# Altium PCB PCB1_4.PcbDoc (part 1 of 2) (continued)
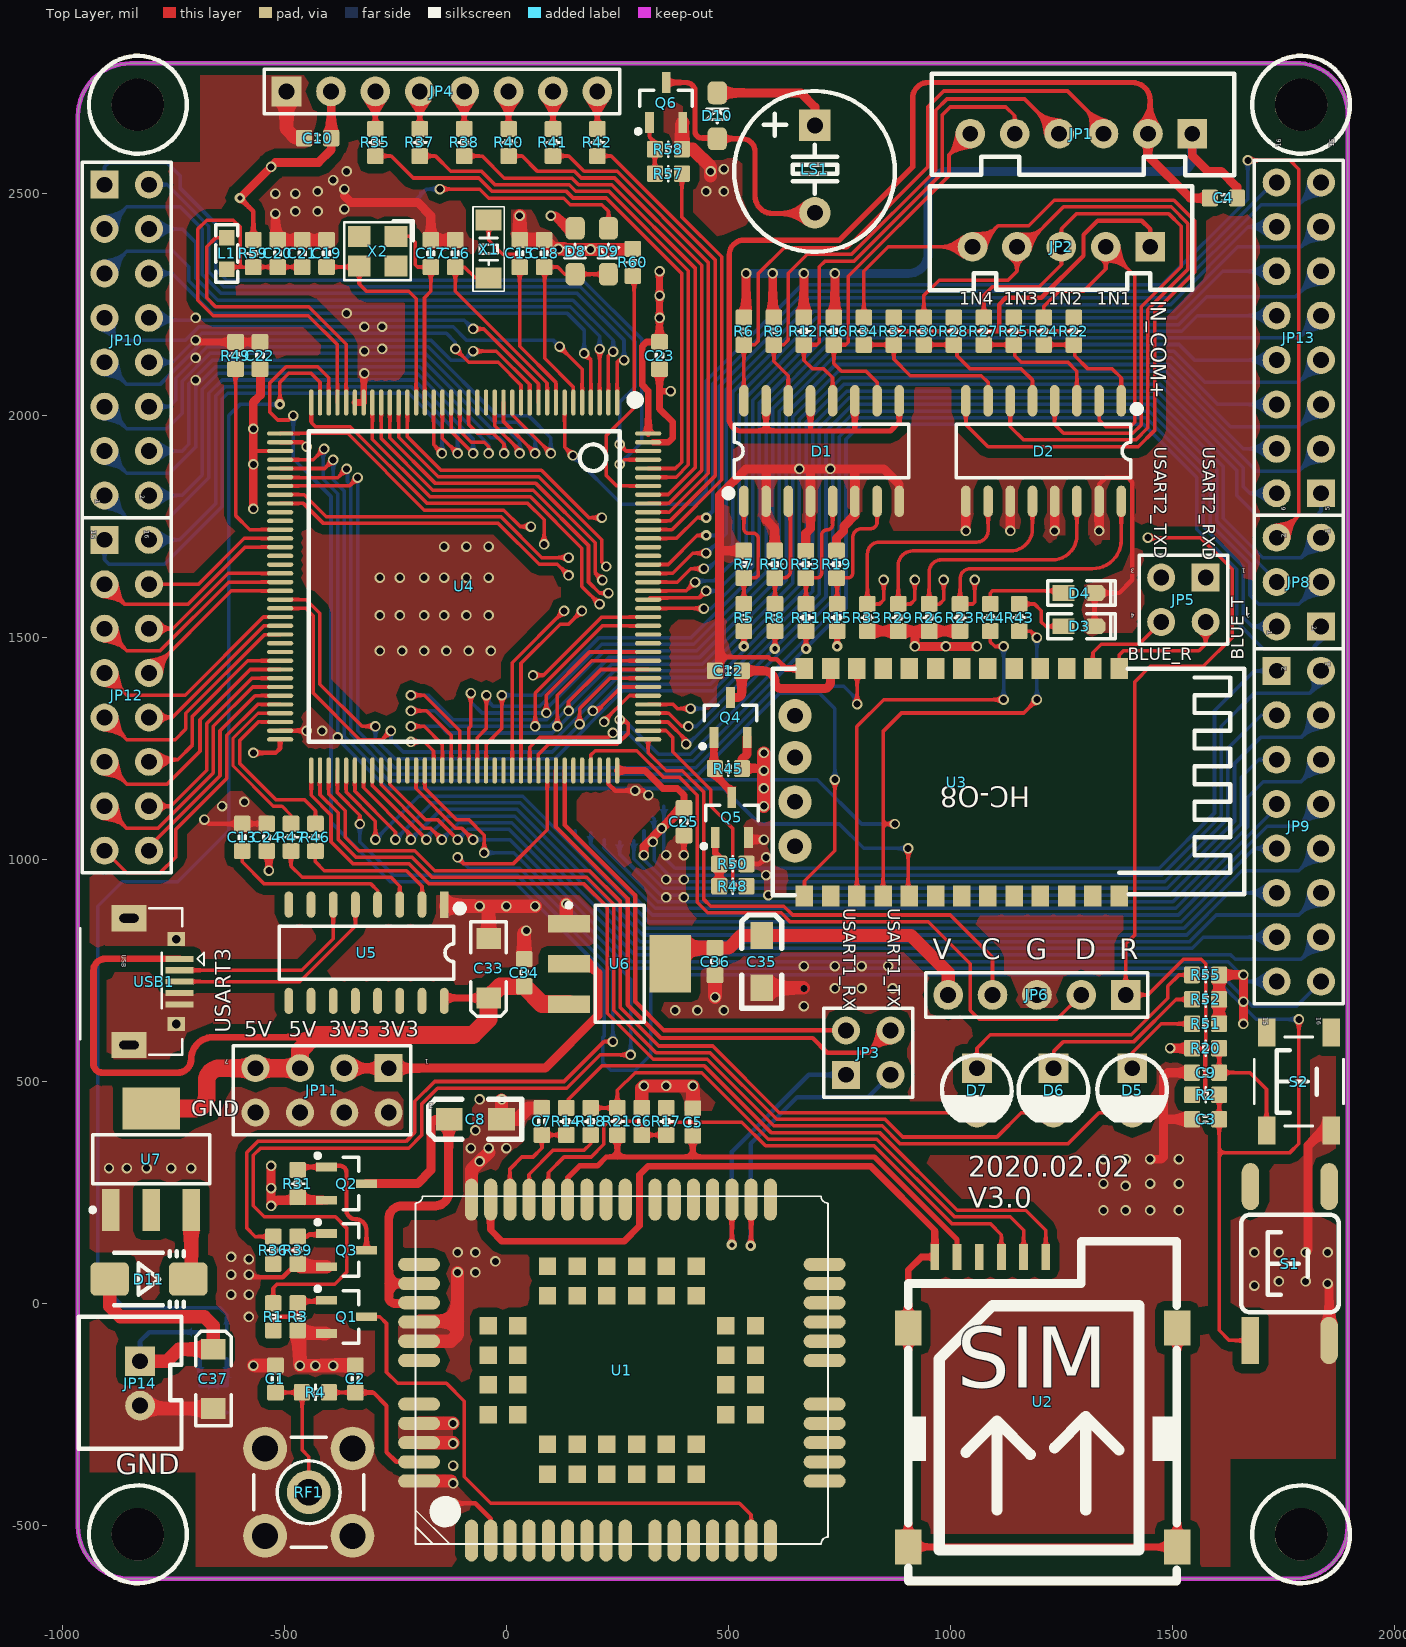
[diagram p0: Top Layer view]
## Footprints (in the part's own frame and the unit in brackets; to place one, negate y for a bottom-side part, rotate by r counter-clockwise, add the part's x,y. Pads: shape width x height; smd on the part's side, far side on the other; paste and mask are expansions set on the pad)
0603CC [mm]
  rrect20% 0.95x0.92 smd: 1(0,0.775) 2(0,-0.775)
  silkscreen extent -0.18,-0.1 0.18,0.1, body extent -0.39,-0.8 0.39,0.8, height 0.79
0603RR [mm]
  rrect20% 0.95x0.92 smd: 1(0,0.775) 2(0,-0.775)
  silkscreen extent -0.43,-0.13 0.43,0.13, body extent -0.39,-0.8 0.39,0.8, height 0.3
BC95 [mm]
  oval 2.4x0.75 smd: 1(-9.75,8.6) 2(-9.75,7.5) 3(-9.75,6.4) 4(-9.75,5.3) 5(-9.75,4.2) 6(-9.75,3.1) 7(-9.75,2) 8(-9.75,0.9) 9(-9.75,-0.2) 10(-9.75,-1.9) 11(-9.75,-3) 12(-9.75,-4.1) 13(-9.75,-5.2) 14(-9.75,-6.3) 15(-9.75,-7.4) 16(-9.75,-8.5) 28(9.75,-8.5) 29(9.75,-7.4) 30(9.75,-6.3) 31(9.75,-5.2) 32(9.75,-4.1) 33(9.75,-3) 34(9.75,-1.9) 35(9.75,-0.2) 36(9.75,0.9) 37(9.75,2) 38(9.75,3.1) 39(9.75,4.2) 40(9.75,5.3) 41(9.75,6.4) 42(9.75,7.5) 43(9.75,8.6)
  oval 0.75x2.4 smd: 17(-6.35,-11.6) 18(-5.25,-11.6) 19(-4.15,-11.6) 20(-3.05,-11.6) 21(-1.95,-11.6) 22(0.55,-11.6) 23(1.65,-11.6) 24(2.75,-11.6) 25(3.85,-11.6) 26(4.95,-11.6) 27(6.05,-11.6) 44(6.05,11.6) 45(4.95,11.6) 46(3.85,11.6) 47(2.75,11.6) 48(1.65,11.6) 49(0.55,11.6) 50(-1.95,11.6) 51(-3.05,11.6) 52(-4.15,11.6) 53(-5.25,11.6) 54(-6.35,11.6)
  rect 1x1 smd: 55(-5.95,4.25) 56(-5.95,2.55) 57(-5.95,0.85) 58(-5.95,-0.85) 59(-5.95,-2.55) 60(-5.95,-4.25) 61(-2.55,-7.65) 62(-0.85,-7.65) 63(0.85,-7.65) 64(2.55,-7.65) 65(5.95,-4.25) 66(5.95,-2.55) 67(5.95,-0.85) 68(5.95,0.85) 69(5.95,2.55) 70(5.95,4.25) 71(2.55,7.65) 72(0.85,7.65) 73(-0.85,7.65) 74(-2.55,7.65) 75(-4.25,4.25) 76(-4.25,2.55) 77(-4.25,0.85) 78(-4.25,-0.85) 79(-4.25,-2.55) 80(-4.25,-4.25) 81(-2.55,-5.95) 82(-0.85,-5.95) 83(0.85,-5.95) 84(2.55,-5.95) 85(4.25,-4.25) 86(4.25,-2.55) 87(4.25,-0.85) 88(4.25,0.85) 89(4.25,2.55) 90(4.25,4.25) 91(2.55,5.95) 92(0.85,5.95) 93(-0.85,5.95) 94(-2.55,5.95)
  silkscreen extent -9.95,-11.8 9.95,11.8, body extent -10,-11.8 10,11.8, height 3
"BEEP 5x9x5.5" [mm] "5*9*5.5mm(脚距,直径,高度)"
  rect 1.8x1.8 hole 0.9: 1(0,-2.5)
  round 1.8 hole 0.9: 2(0,2.5)
  silkscreen extent -4.58,-4.47 4.62,4.72, body extent -4.5,-4.5 4.5,4.5, height 5.45
C3216 [mil] "A型/1206 3.2mmx1.6mm（蒜米工坊）"
  rect 60x51.18 smd: 1(-59,0) 2(59,0)
  silkscreen extent -105,-45 105,45, body extent -63,-31 63,32, height 63
"CD A(3216)" [mm] "长3.2mm，宽1.6mm，厚1.6mm"
  rect 1.2x1.4 smd: 1(-1.7,0) 2(1.7,0)
  silkscreen extent -2.74,-1.02 2.67,1.02, body extent -1.6,-0.8 1.6,0.8, height 1.6
HC-08 [mm]
  rect 1x1.2 smd: 1(0,0) 2(1.5,0) 3(3,0) 4(4.5,0) 5(6,0) 6(7.5,0) 7(9,0) 8(10.5,0) 9(12,0) 10(13.5,0) 11(15,0) 12(16.5,0) 13(18,0) 14(18,13) 15(16.5,13) 16(15,13) 17(13.5,13) 18(12,13) 19(10.5,13) 20(9,13) 21(7.5,13) 22(6,13) 23(4.5,13) 24(3,13) 25(1.5,13) 26(0,13)
  round 1.9 hole 0.9: 27(18.542,2.69) 28(18.542,5.08) 29(18.542,7.62) 30(18.542,10.16)
  silkscreen extent -7.16,0 19.81,12.95, body extent -7.11,0 19.81,12.95, height 7
HDR2.54-LI-2x2P [mm] "双排排针，2x2脚"
  rect 1.6x1.6 hole 0.9: 1(-1.27,-1.27)
  round 1.6 hole 0.9: 2(-1.27,1.27) 3(1.27,-1.27) 4(1.27,1.27)
  silkscreen extent -2.54,-2.54 2.54,2.54, body extent -2.54,-2.54 2.54,2.54, height 8.5
HDR2.54-LI-2x3P [mm] "双排排针，3x2脚"
  rect 1.6x1.6 hole 0.9: 1(-2.54,-1.27)
  round 1.6 hole 0.9: 2(-2.54,1.27) 3(0,-1.27) 4(0,1.27) 5(2.54,-1.27) 6(2.54,1.27)
  silkscreen extent -3.81,-2.54 3.81,2.54, body extent -3.81,-2.54 3.81,2.54, height 8.5
HDR2.54-LI-2x4P [mm] "双排排针，4x2脚"
  rect 1.6x1.6 hole 0.9: 1(-3.81,-1.27)
  round 1.6 hole 0.9: 2(-3.81,1.27) 3(-1.27,-1.27) 4(-1.27,1.27) 5(1.27,-1.27) 6(1.27,1.27) 7(3.81,-1.27) 8(3.81,1.27)
  silkscreen extent -5.08,-2.54 5.08,2.54, body extent -5.08,-2.54 5.08,2.54, height 8.5
HDR2.54-LI-2x8P [mm] "双排排针，8x2脚"
  rect 1.6x1.6 hole 0.9: 1(-8.89,-1.27)
  round 1.6 hole 0.9: 2(-8.89,1.27) 3(-6.35,-1.27) 4(-6.35,1.27) 5(-3.81,-1.27) 6(-3.81,1.27) 7(-1.27,-1.27) 8(-1.27,1.27) 9(1.27,-1.27) 10(1.27,1.27) 11(3.81,-1.27) 12(3.81,1.27) 13(6.35,-1.27) 14(6.35,1.27) 15(8.89,-1.27) 16(8.89,1.27)
  silkscreen extent -10.16,-2.54 10.16,2.54, body extent -10.16,-2.54 10.16,2.54, height 8.5
HDR2.54-LI-5P [mm] "排针，5脚"
  rect 1.7x1.7 hole 0.9: 1(-5.08,0)
  round 1.7 hole 0.9: 2(-2.54,0) 3(0,0) 4(2.54,0) 5(5.08,0)
  silkscreen extent -6.35,-1.27 6.35,1.27, body extent -6.35,-1.27 6.35,1.27, height 8.5
HDR2.54-M-LI-8P [mm] "排母，8脚"
  rect 1.7x1.7 hole 0.9: 1(-8.89,0)
  round 1.7 hole 0.9: 2(-6.35,0) 3(-3.81,0) 4(-1.27,0) 5(1.27,0) 6(3.81,0) 7(6.35,0) 8(8.89,0)
  silkscreen extent -10.16,-1.27 10.16,1.27, body extent -10.16,-1.27 10.16,1.27, height 8.5
"L 0603" [mil] "小功率贴片电感"
  rect 35x35 smd: 1(-35,0) 2(35,0)
  silkscreen extent -65,-25 65,25, body extent -31,-16 31,16, height 31
"LED 3MM-B" [mm] "蓝色3mm直插LED"
  rect 1.7x1.7 hole 0.9: 1(-1.27,0)
  round 1.7 hole 0.9: 2(1.27,0)
  silkscreen extent -2.01,-2 1.72,1.98, body extent -1.95,-1.95 1.64,1.95, height 5.55
"LED 3MM-G" [mm] "绿色3mm直插LED"
  rect 1.7x1.7 hole 0.9: 1(-1.27,0)
  round 1.7 hole 0.9: 2(1.27,0)
  silkscreen extent -2.01,-2 1.72,1.98, body extent -1.95,-1.95 1.64,1.95, height 5.55
"LED 3MM-R" [mm] "红色3mm直插LED"
  rect 1.7x1.7 hole 0.9: 1(-1.27,0)
  round 1.7 hole 0.9: 2(1.27,0)
  silkscreen extent -2.01,-2 1.72,1.98, body extent -1.95,-1.95 1.64,1.95, height 5.55
"LED 0603G" [mil] "绿色0603LED"
  rect 50x35 smd: 1(-35,0.26)
  oct 50x35 smd: 2(35,0.26)
  silkscreen extent -71,-28 81,28, body extent -31,-16 31,16, height 24
"LED 0603R" [mil] "红色0603LED"
  rect 50x35 smd: 1(-35,0.26)
  oct 50x35 smd: 2(35,0.26)
  silkscreen extent -71,-28 81,28, body extent -31,-16 31,16, height 24
"LQFP144 20X20_L" [mm] "144脚，体宽20x20mm，脚距0.5mm"
  oval 0.25x1.5 smd: 1(-8.75,-10.525) 2(-8.25,-10.525) 3(-7.75,-10.525) 4(-7.25,-10.525) 5(-6.75,-10.525) 6(-6.25,-10.525) 7(-5.75,-10.525) 8(-5.25,-10.525) 9(-4.75,-10.525) 10(-4.25,-10.525) 11(-3.75,-10.525) 12(-3.25,-10.525) 13(-2.75,-10.525) 14(-2.25,-10.525) 15(-1.75,-10.525) 16(-1.25,-10.525) 17(-0.75,-10.525) 18(-0.25,-10.525) 19(0.25,-10.525) 20(0.75,-10.525) 21(1.25,-10.525) 22(1.75,-10.525) 23(2.25,-10.525) 24(2.75,-10.525) 25(3.25,-10.525) 26(3.75,-10.525) 27(4.25,-10.525) 28(4.75,-10.525) 29(5.25,-10.525) 30(5.75,-10.525) 31(6.25,-10.525) 32(6.75,-10.525) 33(7.25,-10.525) 34(7.75,-10.525) 35(8.25,-10.525) 36(8.75,-10.525) 73(8.75,10.525) 74(8.25,10.525) 75(7.75,10.525) 76(7.25,10.525) 77(6.75,10.525) 78(6.25,10.525) 79(5.75,10.525) 80(5.25,10.525) 81(4.75,10.525) 82(4.25,10.525) 83(3.75,10.525) 84(3.25,10.525) 85(2.75,10.525) 86(2.25,10.525) 87(1.75,10.525) 88(1.25,10.525) 89(0.75,10.525) 90(0.25,10.525) 91(-0.25,10.525) 92(-0.75,10.525) 93(-1.25,10.525) 94(-1.75,10.525) 95(-2.25,10.525) 96(-2.75,10.525) 97(-3.25,10.525) 98(-3.75,10.525) 99(-4.25,10.525) 100(-4.75,10.525) 101(-5.25,10.525) 102(-5.75,10.525) 103(-6.25,10.525) 104(-6.75,10.525) 105(-7.25,10.525) 106(-7.75,10.525) 107(-8.25,10.525) 108(-8.75,10.525)
  oval 1.5x0.25 smd: 37(10.525,-8.75) 38(10.525,-8.25) 39(10.525,-7.75) 40(10.525,-7.25) 41(10.525,-6.75) 42(10.525,-6.25) 43(10.525,-5.75) 44(10.525,-5.25) 45(10.525,-4.75) 46(10.525,-4.25) 47(10.525,-3.75) 48(10.525,-3.25) 49(10.525,-2.75) 50(10.525,-2.25) 51(10.525,-1.75) 52(10.525,-1.25) 53(10.525,-0.75) 54(10.525,-0.25) 55(10.525,0.25) 56(10.525,0.75) 57(10.525,1.25) 58(10.525,1.75) 59(10.525,2.25) 60(10.525,2.75) 61(10.525,3.25) 62(10.525,3.75) 63(10.525,4.25) 64(10.525,4.75) 65(10.525,5.25) 66(10.525,5.75) 67(10.525,6.25) 68(10.525,6.75) 69(10.525,7.25) 70(10.525,7.75) 71(10.525,8.25) 72(10.525,8.75) 109(-10.525,8.75) 110(-10.525,8.25) 111(-10.525,7.75) 112(-10.525,7.25) 113(-10.525,6.75) 114(-10.525,6.25) 115(-10.525,5.75) 116(-10.525,5.25) 117(-10.525,4.75) 118(-10.525,4.25) 119(-10.525,3.75) 120(-10.525,3.25) 121(-10.525,2.75) 122(-10.525,2.25) 123(-10.525,1.75) 124(-10.525,1.25) 125(-10.525,0.75) 126(-10.525,0.25) 127(-10.525,-0.25) 128(-10.525,-0.75) 129(-10.525,-1.25) 130(-10.525,-1.75) 131(-10.525,-2.25) 132(-10.525,-2.75) 133(-10.525,-3.25) 134(-10.525,-3.75) 135(-10.525,-4.25) 136(-10.525,-4.75) 137(-10.525,-5.25) 138(-10.525,-5.75) 139(-10.525,-6.25) 140(-10.525,-6.75) 141(-10.525,-7.25) 142(-10.525,-7.75) 143(-10.525,-8.25) 144(-10.525,-8.75)
  silkscreen extent -10.03,-10.92 8.89,8.89, body extent -11,-11 11,11, height 1.45
"OSC 3215-2P" [mm] "3.2*1.5*0.6mm(长宽高)"
  rect 1.2x1.5 smd: 1(-1.65,0) 2(1.65,0)
  silkscreen extent -2.41,-0.89 2.41,0.89, body extent -1.6,-0.75 1.6,0.75, height 0.61
"OSC 3225-4P" [mm] "3.2*2.5*0.7mm(长宽高)"
  rect 1.3x1.2 smd: 1(-1.05,-0.85) 2(1.05,-0.85) 3(1.05,0.85) 4(-1.05,0.85)
  silkscreen extent -2.03,-1.75 1.91,1.65, body extent -1.6,-1.25 1.6,1.25, height 0.7
"SIM 6P 自弹" [mm]
  rect 0.5x1.5 smd: 1(2.794,4.064) 2(5.334,4.064) 3(7.874,4.064) 4(1.524,4.064) 5(4.064,4.064) 6(6.604,4.064)
  rect 1.5x2 smd: 4(0,-12.53) 4(0,0) 4(15.4,-12.53) 4(15.4,0)
  silkscreen extent 0,-14.48 15.37,4.95, body extent -0.51,-14.48 15.75,4.95, height 1.25
SMA [mm]
  rrect30% 2.2x1.9 smd: 1(-2.248,0) 2(2.248,0)
  silkscreen extent -2,-1.6 2,1.6, body extent -2.64,-1.4 2.64,1.4, height 2.3
SMA_FR [mm] "SMA 90度射频天线座"
  round 2.5 hole 1.5: 1(0,0) 2(-2.5,2.5) 2(2.5,2.5) 3(-2.5,-2.5) 3(2.5,-2.5)
  silkscreen extent -3.15,-3.15 3.15,3.15, body extent -3.5,-3.5 3.5,11.6, height 10.26
SOD-323 [mm]
  rrect50% 1.3x1.1 smd: 1(-1.312,0) 2(1.313,0)
  silkscreen extent -0.41,-0.6 0.39,0.6
SOP16_L [mm] "10.3*6.2*1.8mm（长宽高）"
  rect 1.5x0.5 smd: 1(-2.752,4.445)
  oval 1.5x0.5 smd: 2(-2.752,3.175) 3(-2.752,1.905) 4(-2.752,0.635) 5(-2.752,-0.635) 6(-2.752,-1.905) 7(-2.752,-3.175) 8(-2.752,-4.445) 9(2.752,-4.445) 10(2.752,-3.175) 11(2.752,-1.905) 12(2.752,-0.635) 13(2.752,0.635) 14(2.752,1.905) 15(2.752,3.175) 16(2.752,4.445)
  silkscreen extent -2.69,-5 1.52,5.49, body extent -3,-5 3,5, height 1.9
SOP16_N [mm] "10.3*6.2*1.8mm（长宽高）"
  oval 1.8x0.55 smd: 1(-2.877,4.445) 2(-2.877,3.175) 3(-2.877,1.905) 4(-2.877,0.635) 5(-2.877,-0.635) 6(-2.877,-1.905) 7(-2.877,-3.175) 8(-2.877,-4.445) 9(2.877,-4.445) 10(2.877,-3.175) 11(2.877,-1.905) 12(2.877,-0.635) 13(2.877,0.635) 14(2.877,1.905) 15(2.877,3.175) 16(2.877,4.445)
  silkscreen extent -2.57,-5 1.52,5.49, body extent -3,-5 3,5, height 1.9
SOT23-3N [mm] "3x1.3x1mm(长宽高)"
  rect 0.5x1.2 smd: 1(-0.95,-1.143) 2(0.95,-1.143) 3(0,1.143)
  silkscreen extent -1.72,-1.78 1.5,0.7, body extent -1.5,-1.2 1.5,1.2, height 1.05
SOT223_N [mm] "SOT223, 4-Leads, Body 6.5x3.5mm, Pitch 2.3mm, Lead Span 7mm, IPC Medium Density"
  rect 2.4x1 smd: 1(-2.9,2.3) 2(-2.9,0) 3(-2.9,-2.3)
  rect 2.4x3.3 smd: 4(2.9,0)
  silkscreen extent -3.02,-3.35 1.4,3.47, body extent -1.85,-3.35 1.85,3.35, height 1.7
"TSW SMD-4*4*1.5" [mm] "轻触开关，长宽高：4*4*1.5mm"
  rect 1.6x1 smd: 1(-2.8,1.85) 2(-2.8,-1.85) 3(2.8,-1.85) 4(2.8,1.85)
  silkscreen extent -2.55,-2.55 2.55,2.55, body extent -3.2,-2.6 3.2,2.6, height 1.5
"TSW SMD-6*6*6" [mm] "6*6*6mm"
  rect 2.7x1 smd: 1(-4.4,2.261)
  oval 2.7x1 smd: 2(-4.4,-2.239) 3(4.4,-2.239) 4(4.4,2.261)
  silkscreen extent -2.79,-2.79 2.79,2.79, body extent -4.5,-3 4.5,3, height 5.95
USB-MICRO_A [mm] "micro型USB ，5.7*7.8*2.5mm"
  rect 0.35x1.6 smd: 1(-1.3,2.9) 2(-0.65,2.9) 3(0,2.9) 4(0.65,2.9) 5(1.3,2.9)
  rect 1.5x2 hole 0.5 slot 1.1 at 90 deg: 5(-3.625,0) 5(3.625,0)
  rect 0.8x1 hole 0.5: 5(-2.425,2.71) 5(2.425,2.71)
  silkscreen extent -4.19,-2.79 4.19,4.3, body extent -4,-2.71 4,2.89, height 2.8
VBAT [mm]
  oct 2.5x6 smd: 1(0.127,-8.729)
  oval 2.5x6 smd: 2(0.127,8.471)
  silkscreen extent -7.49,-7.7 7.74,7.45
XH2.54-LI-2P [mm] "接插件，2P"
  rect 1.7x1.7 hole 0.9: 1(-1.27,0)
  round 1.7 hole 0.9: 2(1.27,0)
  silkscreen extent -3.81,-3.51 3.74,2.37, body extent -3.77,-3.3 3.77,2.4, height 7.05
XH2.54-LI-5P [mm] "接插件，5P"
  rect 1.7x1.7 hole 0.9: 1(-5.08,0)
  round 1.7 hole 0.9: 2(-2.54,0) 3(0,0) 4(2.54,0) 5(5.08,0)
  silkscreen extent -7.48,-3.45 7.52,2.49, body extent -7.58,-3.3 7.58,2.4, height 7.03
XH2.54-LI-6P [mm] "接插件，6P"
  rect 1.7x1.7 hole 0.9: 1(-6.35,0)
  round 1.7 hole 0.9: 2(-3.81,0) 3(-1.27,0) 4(1.27,0) 5(3.81,0) 6(6.35,0)
  silkscreen extent -8.74,-3.43 8.56,2.39, body extent -8.85,-3.3 8.85,2.4, height 7.03

## Part data
BAT1: library part BAT
C1 C2 C3 C4 C5 C6 C7 C9 C10 C12 C13 C14 C15 C16 C17 C18 C19 C20 C21 C22 C23 C24 C25 C34 C36: library part cap
C8 C33 C35 C37: library part Ecap
D1 D2: library part PC847
D8 D9: library part D
D10: "高速开关二极管", BOM名称=高速开关二极管, 学习资源=www.ooocke.com, 版权归属=源创客
D11: library part Diod
JP1: library part "Header 6", "6P接插件", BOM名称=6P接插件, 学习资源=www.ooocke.com, 版权归属=源创客
JP2 JP6: library part "Header 5", "5P接插件", BOM名称=5P接插件, 学习资源=www.ooocke.com, 版权归属=源创客
JP3 JP5: library part "Header 2X2", "2*2P接插件", BOM名称=2*2P接插件, 学习资源=www.ooocke.com, 版权归属=源创客
JP4: library part "Header 8", "8P接插件", BOM名称=8P接插件, 学习资源=www.ooocke.com, 版权归属=源创客
JP8: library part "Header 3X2", "3*2P接插件", BOM名称=3*2P接插件, 学习资源=www.ooocke.com, 版权归属=源创客
JP9 JP10 JP12 JP13: "8*2P接插件", BOM名称=8*2P接插件, 学习资源=www.ooocke.com, 版权归属=源创客
JP11: "4*2P接插件", BOM名称=4*2P接插件, 学习资源=www.ooocke.com, 版权归属=源创客
JP14: library part "Header 2", "2P接插件", BOM名称=2P接插件, 学习资源=www.ooocke.com, 版权归属=源创客
L1: library part L, "小功率贴片电感", BOM名称=小功率贴片电感, 学习资源=www.ooocke.com, 版权归属=源创客
LS1: library part BEEP, "蜂鸣器", BOM名称=蜂鸣器, 学习资源=www.ooocke.com, 版权归属=源创客
Q1 Q3 Q5 Q6: library part 8050-SMD, "高频放大-NPN型", BOM名称=高频放大-NPN型, 学习资源=www.ooocke.com, 属性="40V 1.5A 1W 100MHZ", 版权归属=源创客
Q2 Q4: library part SI2301, "P沟道场效应管", BOM名称=P沟道场效应管, 学习资源=www.ooocke.com, 版权归属=源创客
R1 R2 R3 R4 R5 R6 R7 R8 R9 R10 R11 R12 R13 R14 R15 R16 R17 R18 R19 R20 R21 R22 R23 R24 R25 R26 R27 R28 R29 R30 R31 R32 R33 R34 R35 R36 R37 R38 R39 R40 R41 R42 R43 R44 R45 R46 R47 R48 R49 R50 R51 R52 R53 R54 R55 R56 R57 R58 R59 R60: library part res
S1 S2: "Switch", LatestRevisionDate=17-Jul-2002, LatestRevisionNote="Re-released for DXP Platform.", PackageReference=SPST-2, Published=24-Mar-1999, Publisher="Altium Limited"
U2: library part USIM-6P
U6 U7: library part AMS1117
USB1: "微型USB母座", BOM名称=微型USB母座, 学习资源=www.ooocke.com, 版权归属=源创客
X1: library part XTAL-2P, "2脚无源脚晶振", BOM名称=2脚无源脚晶振, 学习资源=www.ooocke.com, 版权归属=源创客
X2: library part XTAL-4P, "4脚无源晶振", BOM名称=4脚无源晶振, 学习资源=www.ooocke.com, 版权归属=源创客

## Free pads (board coordinates)
  round 118.11 hole 118.11: 0(-830,2700) 1(1790,2700) 2(1790,-520) 3(-830,-520)

## Via types
v1: diameter 23.62, hole 15.75, Top Layer to POWER_GND, tented top, 125 vias
v2: diameter 23.62, hole 15.75, Top Layer to Bottom Layer, tented both sides, 99 vias
v3: diameter 23.62, hole 15.75, Top Layer to POWER_VCC, tented top, 44 vias
v4: diameter 23.62, hole 15.75, POWER_VCC to Bottom Layer, tented bottom, 8 vias
v5: diameter 23.62, hole 11.81, Top Layer to Bottom Layer, tented both sides, 5 vias
v6: diameter 23.62, hole 11.81, Top Layer to POWER_VCC, tented top, 5 vias
v7: diameter 15.75, hole 15.75, Top Layer to POWER_GND, tented top, 1 vias

## Nets (pads, with @x,y where several pads share a name; then routed paths per layer and width w, separated by ;. In a path a pad name is that pad's centre, name@x,y a point inside that pad or via, vN(x,y) a via of type N, cw(c..) or ccw(c..) an arc to the next point about the centre after c; other vN are vias at no path point)
BEEP: R57.1 U4.133 | length 939.1
  Top Layer w8: U4.133@319.39,1742.95 372.95,1742.95 485,1855 485,2357.28 395.51,2446.77 R57.1@395.51,2545
BLE_CLEAR: U3.18 U4.40 | length 2281
  Top Layer w8: U4.40@-509.39,1900.43 -435,1900.43 v2(-410.43,1925) v2@-410,1925 ; v2(905,1025) 905,940.75 915,930.75 905,920.75 U3.18@907.56,918.19
  Bottom Layer w8: v2(-410.43,1925) -412.81,1922.62 -412.81,1856.6 -380,1823.79 -380,1271.36 -268.64,1160 490,1160 570,1080 750,1080 805,1025 v2(905,1025)
BLE_CON_LED: R43.1 U3.17 U4.41 | length 3043.4
  Top Layer w8: U4.41@-509.39,1880.75 -409.25,1880.75 v2(-390,1900) ; U3.17@848.5,918.19 848.5,1080 ; v2(875,1080) 848.5,1080 ; R43.1@1155,1514.49 1180.51,1514.49 v2(1195,1500) ; v2(1195,1360) 1165,1330 890,1330 848.5,1288.5 848.5,1080
  Bottom Layer w8: v2(-390,1900) -390,1855 -365,1830 -365,1277.57 -264.43,1177 439.11,1177 442.11,1180 700,1180 800,1080 v2(875,1080) ; v2(1195,1360) v2(1195,1500)
BLE_Pilot_LED: R44.1 U3.16 | length 915.5
  Top Layer w8: U3.16@789.45,918.19 789.45,1299.45 850,1360 v2(1120,1360) ; R44.1@1090,1514.49 1090,1490 1100,1480 v2(1120,1480)
  Bottom Layer w8: v2(1120,1360) v2(1120,1480)
BLE_Pilot_LED_CON: U3.14 U4.42 | length 2427
  Top Layer w8: U4.42@-509.39,1861.06 -508.32,1860 -380,1860 v2(-360,1880) ; U3.14@671.34,918.19 671.34,951.34 740,1020 v2(740,1180)
  Bottom Layer w8: v2(-360,1880) -357.81,1877.81 -357.81,1850.55 -350,1842.74 -350,1283.79 -258.21,1192 432.9,1192 615.9,1375 705,1375 740,1340 v2(740,1180)
Blue_Power_Control: R48.1 U4.110 | length 477.5
  Top Layer w8: U4.110@319.39,1290.2 359.8,1290.2 375,1275 375,1242.43 460,1157.43 460,1120 510,1070 510,950 520,940 R48.1@540.51,940
Blue_RST: U3.11 U4.43 | length 2089.9
  Top Layer w8: U4.43@-509.39,1841.38 -353.62,1841.38 v2(-335,1860) ; U3.11@789.45,1430 790,1429.45 v2(790,1350)
  Bottom Layer w8: v2(-335,1860) -335,1290 -252,1207 426.69,1207 609.69,1390 760,1390 790,1360 v2(790,1350)
Blue_RXD_PA2: JP5.3 U4.36 | length 2277.2
  Top Layer w8: U4.36@-439.49,2029.39 -439.49,1984.49 -430,1975 -351.36,1975 -178.37,1802.01 47.99,1802.01 85,1765 v3(85,1710)
  POWER_VCC w8: v3(85,1710) 207.26,1710 412.26,1505 685,1505 855,1675 1435,1675 JP5.3@1475,1635
Blue_TXD_PA3: JP5.1 U4.37 | length 2383.5
  Top Layer w8: U4.37@-509.39,1959.49 -508.87,1960 -357.57,1960 -184.58,1787.01 -5.79,1787.01 31.21,1750 v3(55,1750)
  POWER_VCC w8: v3(55,1750) 80,1750 105,1725 213.47,1725 418.47,1520 678.79,1520 848.79,1690 1560,1690 1575,1675 JP5.1@1575,1635
GND: BAT1.2 C1.2 C2.2 C3.2 C5.1 C6.1 C7.1 C8.2 C9.1 C10.2 C12.1 C13.2 C14.1 C15.2 C16.2 C17.1 C18.1 C19.1 C20.1 C21.1 C22.1 C23.1 C24.1 C25.1 C33.2 C34.1 C35.2 C36.1 C37.2 D1.2 D1.4 D1.6 D1.8 D2.9 D2.11 D2.13 D2.15 D3.2 D4.2 JP4.1 JP6.3 JP11.2 JP11.4 JP11.6 JP11.8 JP14.2 Q1.2 Q3.2 Q5.2 Q6.2 R3.2 R7.1 R10.1 R13.1 R19.1 R39.2 R49.1 R50.2 R54.2 R58.2 R60.1 RF1.2 RF1.3 S1.2 S2.2 U1.2 U1.43 U1.47 U1.48 U1.51 U1.52 U1.54 U3.13 U4.30 U4.31 U4.38 U4.71 U4.107 U4.143 U5.1 U6.1 U7.1 USB1.4 USB1.5 | length 8015.7
  Top Layer w10: v1(-680,1090) -670.51,1080.51 C13.2@-595,1080.51 C24.1@-540,1080.51 ; v1(-580,65) -574.38,59.38 -503.45,59.38 -473.34,89.49 R39.2@-470,89.49 ; U4.71@-509.39,1290.2 -450.2,1290.2 v1(-450,1290) ; U4.38@-509.39,1939.8 -459.8,1939.8 v1(-450,1930) ; v1(-120,-450) -70,-450 -35.28,-484.72 U1.2@-35.28,-533.86 ; U4.107@229.8,1200.61 229.8,1170.2 245,1155 310,1155 ; v1(400,1010) C25.1@400,1054.49 ; 480,1455.7 590.63,1455.7 595.14,1451.19 608.81,1451.19 630,1430 ; R50.2@540.51,990 570,990 v1(585,1005) ; D3.2@1325,1525.26 D4.2@1325,1600.26 1380.26,1600.26 1410,1630 1410,1850 1400,1860 1350,1860 1335,1845 D2.15@1335,1806.73
  Top Layer w12: U1.47@-196.69,-41.73 -128.27,-41.73
  Top Layer w15: v1@-695.51,2165.51 R49.1@-610,2165.51 C22.1@-555,2165.51 ; U4.31@-341.06,2029.39 U4.30@-321.38,2029.39 v1@-321.38,2093.62 ; U4.143@341.39,1940.07 331.08,1940.07 330.81,1939.8 364.8,1939.8 375,1950 375,1985 345,2015 C23.1@345,2104.49 ; 349.74,2055 v1(370,2055) ; 630,1430 U3.13@671.34,1430
  Top Layer w20: v1(-520,2455) -520,2400.51 C20.1@-515,2395.51 C21.1@-460,2395.51 C19.1@-405,2395.51 ; -365,2495 -350,2480 -200,2480 -170,2450 C17.1@-170,2395.51 C16.2@-115,2395.51 ; C12.1@469.49,1425 480,1435.51 480,1455.7 480,1690 ; R7.1@535,1695.51 485.51,1695.51 480,1690 ; Q5.2@545.28,1050 550.28,1045 v1(580,1045) ; R10.1@604.56,1695.51 604.56,1745.44 585,1765 D1.2@585,1806.73 585,1875 590,1880 ; R13.1@674.11,1695.35 674.11,1734.11 685,1745 D1.4@685,1806.73 685,1875 690,1880 ; R19.1@743.67,1695.43 743.67,1723.67 760,1740 760,1750 785,1775 D1.6@785,1806.73 785,1875 780,1880 ; D1.8@885,1806.73 885,1845 850,1880 780,1880 ; v1(1035,1740) D2.9@1035,1806.73 ; v1(1135,1740) D2.11@1135,1806.73 ; v1(1235,1740) D2.13@1235,1806.73 ; v1(1335,1740) D2.15@1335,1806.73 ; v1(1450,325) 1475,325 1480,330 1480,420 ; C3.2@1539.49,410 C3.2@1544.49,415 1485,415 1480,420 ; C9.1@1544.49,520 1490,520 1480,510 1480,420 ; v1(1800,115) 1806,121 1806,356 1839.76,389.76 S2.2@1857.83,389.76 ; S1.2@1853.17,-83.23 v1@1853.17,41.83 ; 480,1690 480,1820 540,1880 590,1880 ; 590,1880 v1(660,1880) 690,1880 ; 690,1880 v1(730,1880) 780,1880
  Top Layer w30: JP14.2@-825,-230 -818.07,-236.93 C37.2@-660,-236.93 ; v1@-569.49,-139.49 C1.2@-520,-139.49 ; JP4.1@-495,2730 -495,2645 -475,2625 C10.2@-455.51,2625 ; R39.2@-463.11,82.6 Q3.2@-405,82.6 ; Q1.2@-405,-67.4 -463.11,-67.4 -465,-69.29 v1(-465,-140) C2.2@-340.51,-140 ; U1.54@-196.69,-400 v1@-125,-400 ; U1.52@-196.69,-313.39 -121.61,-313.39 v1@-121,-314 ; U1.51@-196.69,-270.08 v1@-121.08,-270.08 ; U1.48@-196.69,-85.04 -125.04,-85.04 -110,-70 -110,-40 ; U1.47@-196.69,-41.73 -194.96,-40 -110,-40 ; U5.1@-136.65,895 v1@-50,895 ; v1(-110,70) -110,-40 ; U1.43@-78.58,233.86 -78.58,301.42 v1(-60,320) v1@-40,340 ; C33.2@-40,821.93 -40,885 v1@-50,895 ; v1@-11,458 C8.2@-11,415 25,415 50.51,440.51 C7.1@80,440.51 ; v3(30,2450) C15.2@30,2395.51 C18.1@85,2395.51 105,2375.51 v1(117.07,2375.51) 129.15,2375.51 130.58,2374.08 283.57,2374.08 R60.1@285,2375.51 ; C34.1@40,775.51 v1@40,835 ; v1(65,895) v1@-50,895 ; v1(135,900) 135,861.38 U6.1@140.83,855.55 ; C6.1@305,440.51 v1@305,485 ; v1(310,490) v1(360,490) v1(420,490) C5.1@420,439.11 ; Q6.2@397,2660 397,2659.6 395.51,2658.11 R58.2@395.51,2600 420,2600 460,2560 v1@460,2540 ; v1(470,690) C36.1@470,739.49 ; C35.2@575,711 v7@669,711
  Bottom Layer w10: JP14.2@-825,-230 -760,-230 -744.49,-245.51 R54.2@-690,-245.51 C14.1@-630,-245.51
  other v1: -120,-405 -120,-365 -120,-315 -120,-270 -570,-140 -430,-140 -390,-140 -580,-30 -620,20 -580,20 1685,40 1850,45 1740,50 1800,50 -620,65 -70,70 -25,95 -580,100 -620,105 -110,115 -70,115 1685,115 1740,115 1850,115 1345,210 1395,210 1450,210 1515,210 1395,265 1345,270 1450,270 1515,270 -895,305 -855,305 -810,305 -755,305 -710,305 1345,325 1395,325 1515,325 -80,350 -40,350 0,350 -70,390 -60,460 -10,460 380,660 430,660 490,660 670,670 740,710 800,710 870,710 670,760 740,760 800,760 860,760 45,840 -60,895 0,895 360,915 400,915 590,920 360,955 400,955 585,965 360,1010 -640,1120 -590,1130 320,1145 290,1155 -380,1275 -415,1290 -700,2080 -320,2095 -700,2130 -320,2145 -280,2150 -700,2170 -320,2200 -280,2200 -700,2220 -360,2230 190,2374.08 -475,2460 -425,2460 -365,2465 -520,2500 -475,2500 -425,2505 450,2505 490,2505 -365,2510 -390,2530 -360,2550 460,2550 490,2555
  other v2: -285,1470 -235,1470 -185,1470 -135,1470 -85,1470 -35,1470 -285,1550 -240,1550 -185,1550 -140,1550 -90,1550 -40,1550 -285,1635 -240,1635 -185,1635 -140,1635 -90,1635 -40,1635 -140,1705 -90,1705 -40,1705
  other v7: 670,710
IN1: D2.2 JP2.2 R24.1 | length 805
  Top Layer w8: R24.1@1210.55,2220.51 1210.55,2245.55 1245,2280 1300,2280 1350,2330 JP2.2@1350,2380 1415,2315 1415,1985 1405,1975 1350,1975 1335,1990 D2.2@1335,2033.27
IN1_PC4: D2.16 R23.1 U4.44 | length 2689.1
  Top Layer w8: U4.44@-509.39,1821.69 -455.48,1821.69 -405.79,1772.01 -12.01,1772.01 80,1680 v2(140,1680) ; v3(1055,1630) 1055,1580 1050.43,1575.43 R23.1@1021.89,1575.43 1021.89,1631.89 cw(c1045,1631.89) 1045,1655 1320,1655 ccw(c1320,1720) 1385,1720 D2.16@1385,1806.73
  POWER_VCC w8: v2(140,1680) 115,1655 115,1598.47 90,1573.47 90,1543.79 128.79,1505 230,1505 370,1365 597.28,1365 609.47,1377.19 702.04,1377.19 737.04,1412.19 805.83,1412.19 895,1501.36 895,1558.79 921.21,1585 1010,1585 v3(1055,1630)
IN2: D2.4 JP2.3 R27.1 | length 1378.8
  Top Layer w8: R27.1@1075.44,2220.51 1075.44,2270.44 1095,2290 1200,2290 1250,2340 JP2.3@1250,2380 1250,2420 1285,2455 1491.21,2455 1520,2426.21 1520,2335 1430,2245 1430,1978.79 1411.21,1960 1255,1960 1235,1980 D2.4@1235,2033.27
IN2_PC5: D2.14 R26.1 U4.45 | length 2518.7
  Top Layer w8: U4.45@-509.39,1802.01 -457.01,1802.01 -412.01,1757.01 -18.22,1757.01 73.79,1665 115,1665 v2(140,1640) ; v3(985,1630) 985,1585 975.43,1575.43 R26.1@952.33,1575.43 952.33,1647.33 cw(c980,1647.33) 980,1675 1230,1675 ccw(c1230,1730) 1285,1730 D2.14@1285,1806.73
  POWER_VCC w8: v2(140,1640) 140,1602.26 105,1567.26 105,1550 135,1520 236.21,1520 376.21,1380 591.07,1380 603.26,1392.19 695.83,1392.19 730.83,1427.19 799.62,1427.19 880,1507.57 880,1565 915,1600 955,1600 v3(985,1630)
IN3: D2.6 JP2.4 R30.1 | length 1664.2
  Top Layer w8: R30.1@940.33,2220.51 940.33,2270.33 975,2305 1130,2305 1150,2325 JP2.4@1150,2380 1165,2380 1255,2470 1497.43,2470 1535,2432.43 1535,2328.79 1445,2238.79 1445,1972.57 1417.43,1945 1165,1945 1135,1975 D2.6@1135,2033.27
IN3_PC6: D2.12 R29.1 U4.96 | length 1983.7
  Top Layer w8: U4.96@13.27,1200.61 13.27,1443.27 v2(130,1560) ; v3(920,1630) 920,1585 910.43,1575.43 R29.1@882.78,1575.43 882.78,1662.78 cw(c915,1662.78) 915,1695 1135,1695 ccw(c1135,1745) 1185,1745 D2.12@1185,1806.73
  POWER_VCC w8: v2(130,1560) 135,1560 160,1535 242.43,1535 382.43,1395 584.85,1395 597.04,1407.19 689.62,1407.19 724.62,1442.19 793.4,1442.19 865,1513.79 865,1575 v3(920,1630)
IN4: D2.8 JP2.5 R34.1 | length 1958.5
  Top Layer w8: R34.1@805.22,2220.51 805.22,2325.22 860,2380 JP2.5@1050,2380 1060,2380 1107.46,2427.46 1176.25,2427.46 1233.79,2485 1503.64,2485 1550,2438.64 1550,2322.57 1460,2232.57 1460,1966.36 1423.64,1930 1085,1930 1035,1980 D2.8@1035,2033.27
IN4_PC7: D2.10 R33.1 U4.97 | length 1891.4
  Top Layer w8: U4.97@32.95,1200.61 32.95,1441.74 121.21,1530 140,1530 v2(170,1560) ; v3(850,1630) 850,1585 840.43,1575.43 R33.1@813.22,1575.43 813.22,1688.22 cw(c840,1688.22) 840,1715 1060,1715 ccw(c1060,1740) 1085,1740 D2.10@1085,1806.73
  POWER_VCC w8: v2(170,1560) 175,1560 185,1550 248.64,1550 388.64,1410 578.64,1410 590.83,1422.19 683.4,1422.19 718.4,1457.19 787.19,1457.19 850,1520 v3(850,1630)
IN_COM+: JP2.1 R22.1 R25.1 R28.1 R32.1 | length 1076.2
  Top Layer w10: R32.1@872.78,2220.51 872.78,2201.82 885,2189.6 1010,2189.6 ; R28.1@1007.89,2220.51 1007.89,2191.71 1010,2189.6 ; R25.1@1143,2220.51 1143,2192.6 1140,2189.6 ; R22.1@1278.11,2220.51 1278.11,2193.11 1274.6,2189.6 1140,2189.6 ; JP2.1@1450,2380 1450,2420 1431,2439 1331.63,2439 1300,2407.37 1300,2360 1205,2265 1125,2265 1110,2250 1110,2189.6 ; 1010,2189.6 1110,2189.6 ; 1110,2189.6 1140,2189.6
LED1: D5.2 U4.73 | length 2434.8
  Top Layer w8: U4.73@-439.49,1200.61 -439.49,1144.49 -395,1100 -395,1040 -345,990 -218.79,990 -173.79,945 175,945 227,893 227,653.9 330.9,550 452.43,550 602.43,400 846.67,400 886.67,360 1265,360 1335,430 D5.2@1410,430
LED2: D6.2 U4.74 | length 2224.3
  Top Layer w8: U4.74@-419.8,1200.61 -419.8,1146.02 -378.79,1105 -378.79,1045 -338.79,1005 -212.57,1005 -167.57,960 181.21,960 242,899.21 242,660.12 337.12,565 458.64,565 608.64,415 852.89,415 892.89,375 1105,375 1160,430 D6.2@1232.5,430
LED3: D7.2 U4.75 | length 1985.6
  Top Layer w8: U4.75@-400.12,1200.61 -400.12,1147.54 -362.57,1110 -362.57,1050 -332.57,1020 -206.36,1020 -161.36,975 187.43,975 257,905.43 257,666.33 343.33,580 464.85,580 614.85,430 D7.2@1060,430
MCU_3.3V: C10.1 C22.2 C23.2 C24.2 C25.2 C35.1 C36.2 D8.1 D10.2 JP4.2 JP6.5 JP11.1 JP11.3 LS1.1 Q2.2 Q4.2 R2.2 R20.2 R23.2 R26.2 R29.2 R31.2 R33.2 R45.2 R51.1 R52.1 R55.1 R59.2 U4.39 U4.72 U4.108 U4.144 U6.2 U6.4 | length 4953.6
  Top Layer w10: v6(-600,2490) -570,2460 R59.2@-570,2395.51 ; v3(-570,1240) -520,1240 -509.39,1250.61 U4.72@-509.39,1270.51 ; -569.88,1920.12 U4.39@-509.39,1920.12 ; R2.2@1544.49,470 1565.4,470 1574.6,479.2 1574.6,562.77 1559,578.37 1555.63,575 R20.2@1544.49,575
  Top Layer w15: C24.2@-540,1019.49 -535,1014.49 v3(-535,975) ; U4.108@249.49,1200.61 312.01,1200.61 352.62,1160 385,1160 400,1145 C25.2@400,1115.51 ; U4.144@319.39,1959.49 319.39,2055.61 306.31,2068.69 306.31,2156.31 315.51,2165.51 C23.2@345,2165.51 v3(345,2325)
  Top Layer w20: v6(-600,2490) -520,2570 -423.33,2570 -394.49,2598.84 C10.1@-394.49,2625 -394.49,2729.49 JP4.2@-395,2730 ; v3(-570,1790) v3(-570,1890) v3(-570,1970) -570,2030 -553.81,2046.19 -553.81,2103.3 C22.2@-555,2104.49 ; v3(-530,310) v3(-530,260) v3(-530,220) -517.4,232.6 Q2.2@-405,232.6 ; JP11.3@-365,530 JP11.1@-265,530 87.35,530 206,648.65 206,744 185,765 U6.2@140.83,765 ; v3(100,2450) 110,2450 138.33,2421.67 D8.1@155,2421.67 ; v3(310,1010) 310,1030 v3(350,1070) 395.51,1115.51 C25.2@400,1115.51 ; D10.2@475,2726.67 663.33,2726.67 695,2695 LS1.1@695,2653.43 ; Q4.2@542.4,1275 542.4,1237.4 530.51,1225.51 R45.2@530.51,1205 575,1205 v3(580,1200) ; R33.2@813.22,1514.41 R29.2@882.78,1514.41 R26.2@952.33,1514.41 R23.2@1021.89,1514.41 R23.2@1025.59,1514.41 ; 920,1511.97 v3(920,1480) v3(990,1480) v3(1060,1480) ; v3(1495,575) R20.2@1544.49,575 ; R51.1@1605.51,630 R52.1@1605.51,685 R55.1@1605.51,740 v3(1660,740) v3(1660,680) v3(1660,630)
  Top Layer w30: U6.4@369.17,765 404.69,800.51 C36.2@470,800.51 500.51,800.51 529,829 C35.1@575,829 911,829 995,745 JP6.5@995,695 ; v3(580,1120) v3(580,1160) v3(580,1200) v3(580,1240)
  other v3: 330,1040 345,2220 345,2270 -530,2560
MCU_RST: C9.2 JP6.1 R20.1 S2.1 U4.25 | length 4061
  Top Layer w8: U4.25@-222.95,2029.39 -222.95,1952.81 -147.16,1877.01 79.06,1877.01 186.07,1770 v3(215,1770) ; v3(1445,1725) 1563.55,1725 1635,1653.55 1635,1500 1570,1435 1450,1435 1415,1400 1415,830 1395,810 JP6.1@1395,695 1445,695 1525,775 1565,775 1575,765 1575,585 1585,575 R20.1@1605.51,575 C9.2@1605.51,520 1675,520 1712.17,482.83 S2.1@1712.17,389.76
  POWER_VCC w8: v3(215,1770) 215,1744.69 424.69,1535 672.57,1535 842.57,1705 1400,1705 1420,1725 v3(1445,1725)
NB_Power_Control: R36.1 U4.76 | length 2242.2
  Top Layer w8: R36.1@-522.5,153.01 R36.1@-525,150.51 -565.51,150.51 -585,170 -585,340 -560,365 -226.21,365 -206,385.21 -206,455.21 -161.21,500 130,500 220,590 v2(240,590) ; U4.76@-380.43,1200.61 -380.43,1150.43 -330,1100 v2(-330,1080)
  Bottom Layer w8: v2(-330,1080) -330,1040 -255,965 24.08,965 240,749.08 v2(240,590)
NB_R: JP3.3 U1.29 | length 713.6
  Top Layer w10: v5(550,130) 551.34,131.34 U1.29@551.34,233.86
  Bottom Layer w10: v5(550,130) 550,360 655,465 815,465 JP3.3@865,515
NB_RESET: Q1.3 U1.15 | length 1272.8
  Top Layer w8: Q1.3@-315,-30 -285,-30 -270,-45 -270,-155 -245,-180 -135,-180 -95,-220 -95,-390 -35,-450 525,-450 551.34,-476.34 U1.15@551.34,-533.86
NB_RESET_Control: R1.1 U4.100 | length 2691
  Top Layer w8: R1.1@-525,0.51 -525,35 -516.62,43.38 -386.62,43.38 -360,70 -360,170 -385,195 -545,195 -570,220 -570,333.79 -553.79,350 -220,350 -191,379 -191,449 -155,485 136.21,485 211.21,560 v2(280,560) ; v2(-110,1005) -95,990 15,990 92.01,1067.01 U4.100@92.01,1200.61
  Bottom Layer w8: v2(-110,1005) -85,980 30.29,980 280,730.29 v2(280,560)
NB_RXD_PA9: JP3.4 U4.101 | length 1251.9
  Top Layer w10: U4.101@111.69,1200.61 111.69,1073.36 273,912.05 273,672.96 347.96,598 690,598 723,565 815,565 JP3.4@865,615
NB_T: JP3.1 U1.30 | length 640.6
  Top Layer w10: v5(508.03,131.97) U1.30@508.03,233.86
  Bottom Layer w10: v5(508.03,131.97) 508.03,342.07 680.96,515 JP3.1@765,515
NB_TXD_PA10: JP3.2 U4.102 | length 1088.2
  Top Layer w10: U4.102@131.38,1200.61 131.38,1077.72 290,919.1 290,680 355,615 JP3.2@765,615
NetBAT1_1: BAT1.1 D9.1 | length 549.1
  Top Layer w8: v2(-150,2510) -60,2510 -39.74,2489.74 129.19,2489.74 143.93,2475 215,2475 230,2460 D9.1@230,2421.67
  Bottom Layer w8: BAT1.1@-245,2473.65 -216.35,2473.65 -180,2510 v2(-150,2510)
NetC1_1: C1.1 R4.2 RF1.1 | length 291.1
  Top Layer w8: C1.1@-520,-200.51 -461.02,-200.51 R4.2@-460.51,-200 -460,-200.51 -460,-330 -445,-345 RF1.1@-445,-425
NetC13_1: C13.1 U5.4 | length 388.1
  Top Layer w8: C13.1@-595,1019.49 -595,995 -545,945 -305,945 -290,930 U5.4@-290,898.35
NetC14_2: C14.2 R53.2 R54.1 R56.2 | length 178
  Bottom Layer w10: R53.2@-690,-125.51 R54.1@-690,-184.49 C14.2@-630,-184.49 R56.2@-630,-125.51
NetC15_1: C15.1 U4.8 X1.1 | length 488.1
  Top Layer w8: X1.1@-40,2439.96 -40,2395 -8.4,2363.4 16.6,2363.4 30,2350 C15.1@30,2334.49 30,2156.21 111.69,2074.52 U4.8@111.69,2029.39
NetC16_1: C16.1 U4.9 X1.2 | length 483.1
  Top Layer w8: X1.2@-45.04,2305 X1.2@-40,2310.04 -70.04,2310.04 -94.49,2334.49 C16.1@-115,2334.49 -115,2280 92.01,2072.99 U4.9@92.01,2029.39
NetC17_2: C17.2 U4.23 X2.1 | length 447.9
  Top Layer w8: X2.1@-248.66,2403.46 -218.46,2403.46 -205,2390 -205,2340 -199.49,2334.49 C17.2@-170,2334.49 -170,2280 -184.35,2265.65 -184.35,2030.15 U4.23@-183.58,2029.39
NetC18_2: C18.2 D8.2 D9.2 U4.6 | length 484.2
  Top Layer w8: U4.6@151.06,2029.39 151.06,2063.94 86.23,2128.77 86.23,2333.26 C18.2@85,2334.49 115.51,2334.49 131.67,2318.33 D8.2@155,2318.33 D9.2@230,2318.33
NetC19_2: C19.2 U4.24 X2.3 | length 490.4
  Top Layer w8: C19.2@-405,2334.49 -333.39,2334.49 X2.3@-331.34,2336.54 -331.34,2296.34 -315,2280 -220,2280 -203.27,2263.27 U4.24@-203.27,2029.39
NetC20_2: C20.2 C21.2 L1.2 R59.1 U4.33 | length 1015
  Top Layer w8: L1.2@-625,2330 -620.51,2334.49 -595.26,2334.49 ; C21.2@-460,2334.49 C20.2@-515,2334.49 R59.1@-570,2334.49 -595.26,2334.49 ; U4.33@-380.43,2029.39 -380.43,2159.22 -446.21,2225 -660,2225 -695,2260 -695,2420 -675,2440 -615,2440 -599.7,2424.7 -599.7,2338.93 -595.26,2334.49